# Allegro board meta_module_lay_rev1.brd (continued)
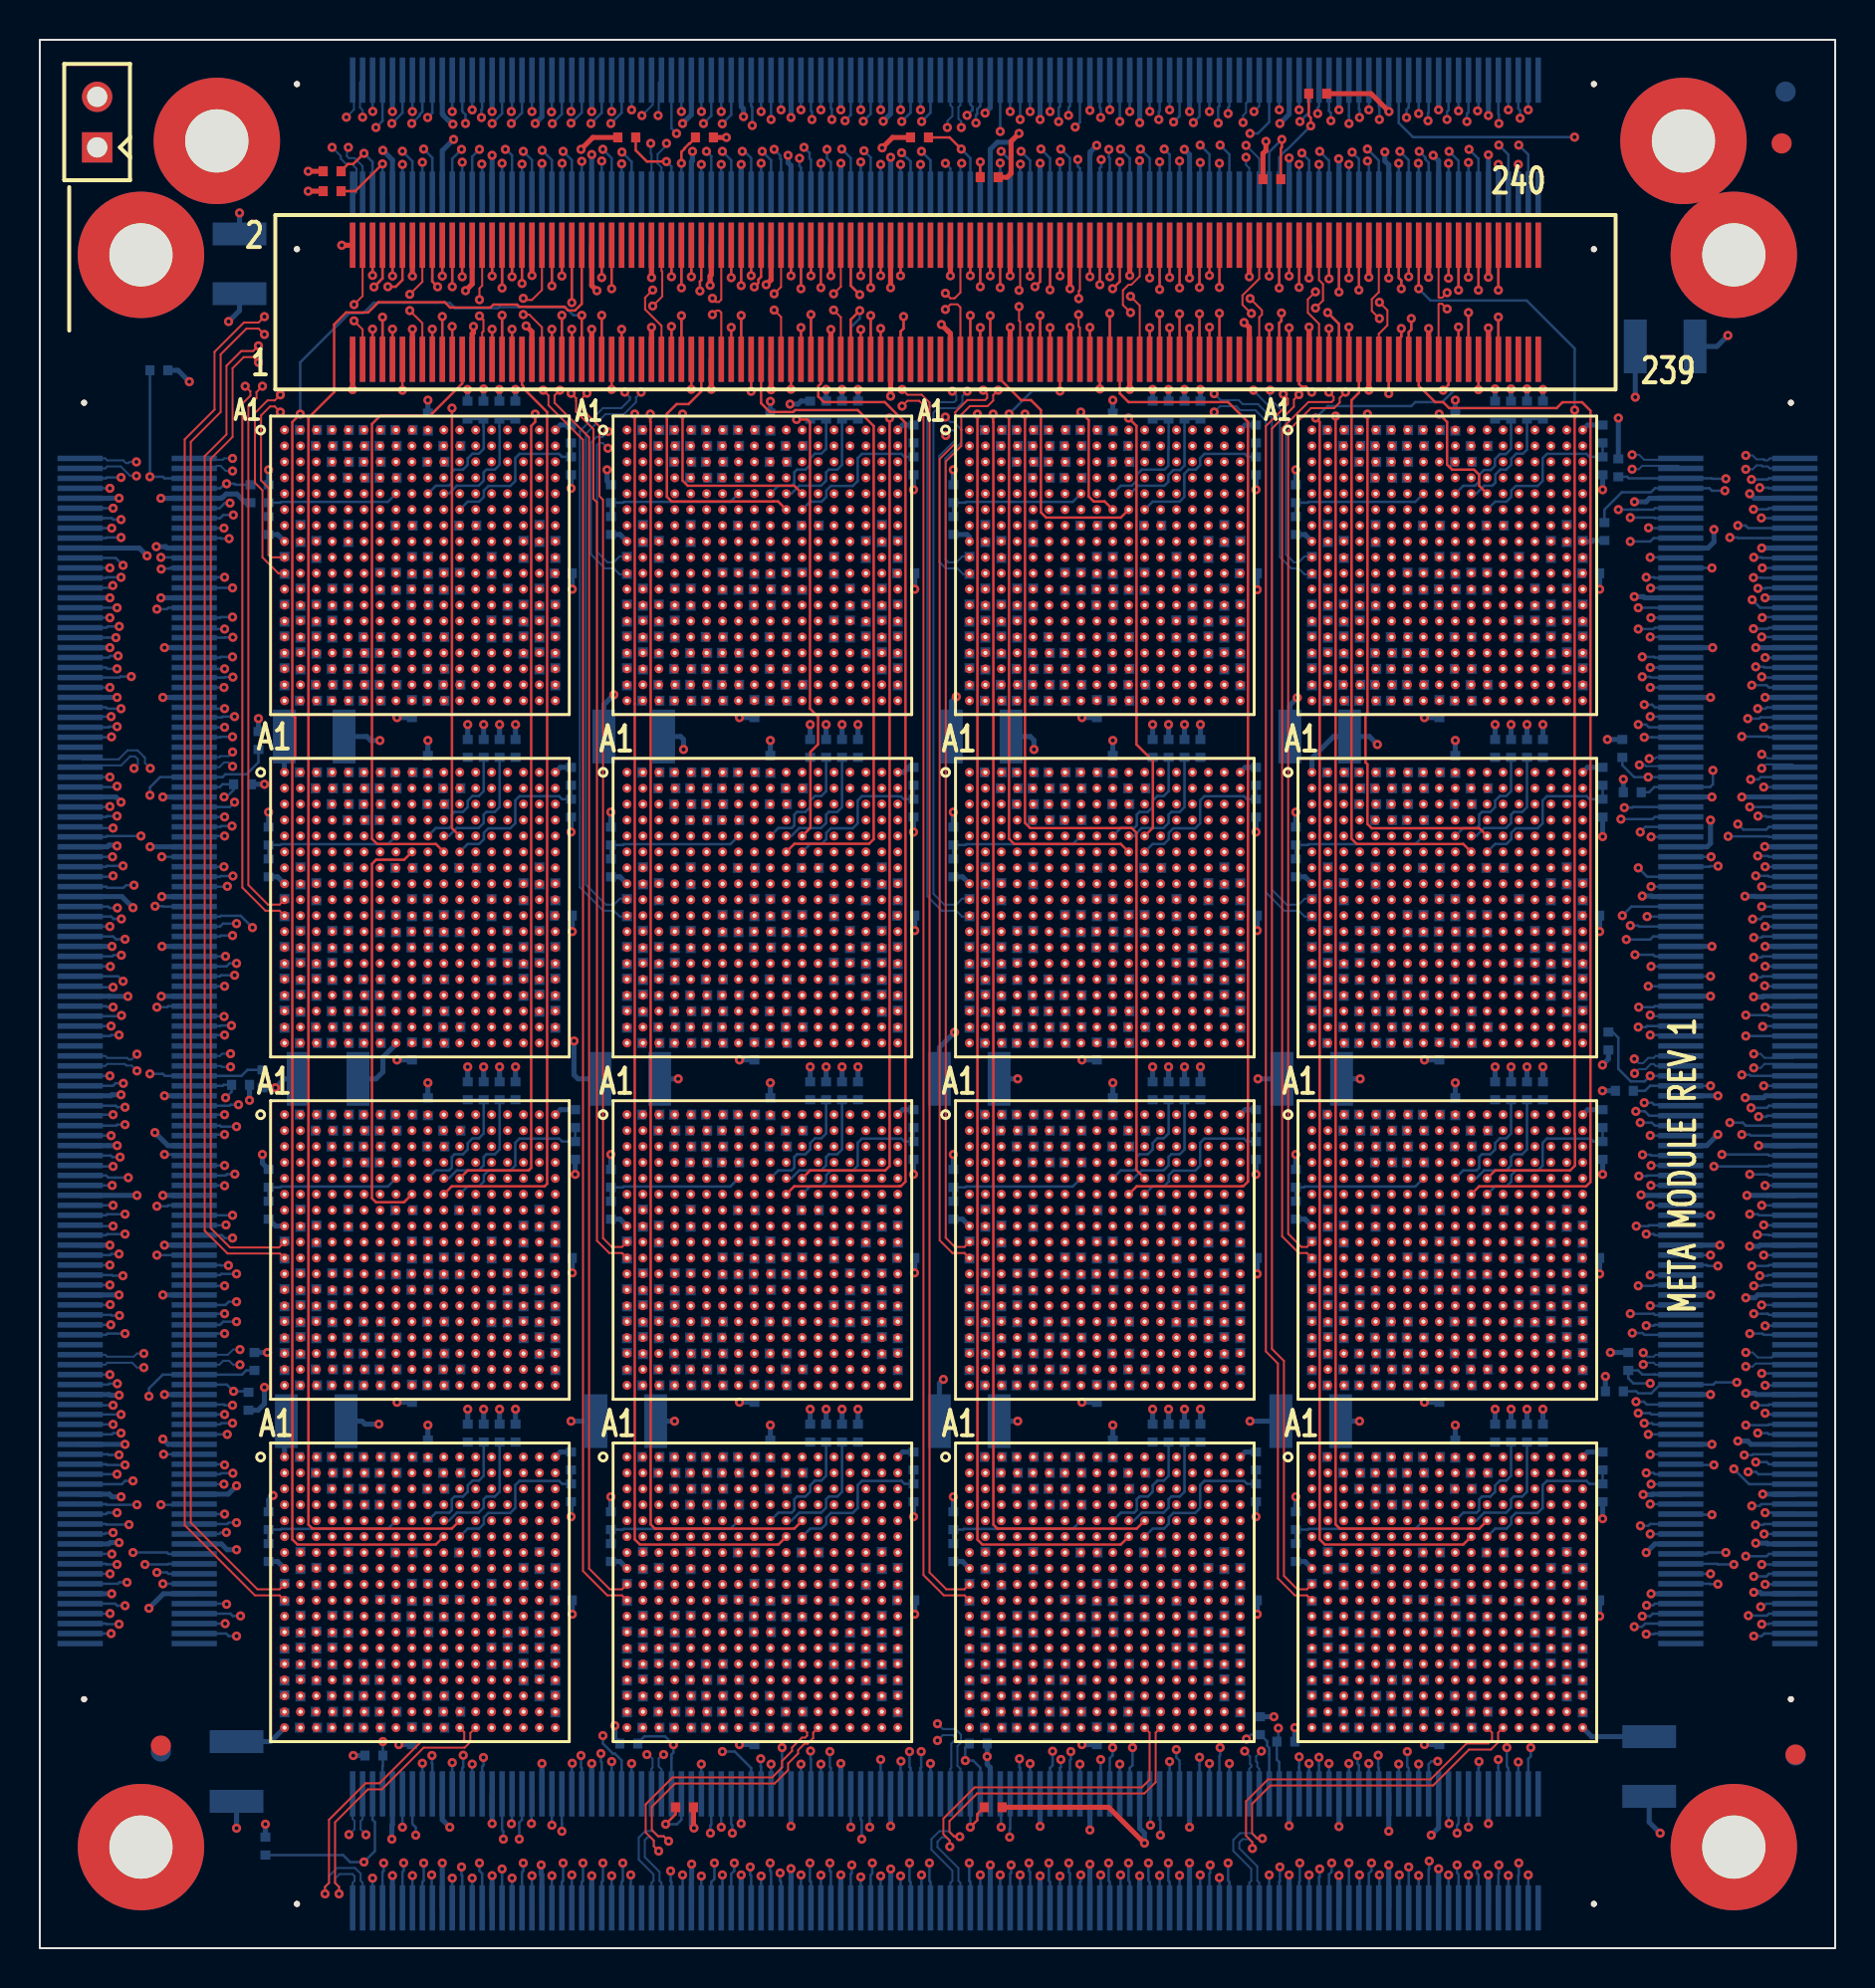
[diagram p0: board, top side]
## Routing (per net, layer and track width the routed paths; a pad name or vN(x,y) marks a point on that pad's centre or on a via; arc(x,y) is an arc through that point) (continued)
EW_WAIT_RD_P1_SNOW4-4: length 8.6
  SIGNAL_L9 w0.083: 60.68,20.29 64.28,20.29 U14.G2 ; 60.68,20.29 60.68,20.28 60.68,20.29 ; 60.68,20.29 59.36,20.29 59.09,20.02 59.09,17.88 U16.K17
EW_WAIT_RD_P2: length 8.6
  SIGNAL_L9 w0.083: 43.48,37.49 43.48,37.48 43.48,37.49 ; 43.48,37.49 42.16,37.49 41.89,37.22 41.89,35.08 U9.K17 ; 43.48,37.49 47.08,37.49 U15.G2
EW_WAIT_RD_P3: length 8.6
  SIGNAL_L9 w0.083: 43.48,20.29 43.48,20.28 43.48,20.29 ; 43.48,20.29 42.16,20.29 41.89,20.02 41.89,17.88 U10.K17 ; 43.48,20.29 47.08,20.29 U16.G2
EW_WAIT_WR_N0: length 13.8
  SIGNAL_L9 w0.083: U7.J3 48.69,70.28 48.69,70.82 48.43,71.08 48.08,71.08 47.88,71.28 47.88,72.48 47.68,72.68 41.35,72.68 41.09,72.42 41.09,69.48 U1.K16
EW_WAIT_WR_N0_SNOW4-1: length 13.8
  SIGNAL_L9 w0.083: U3.K16 23.89,69.48 23.89,72.42 24.15,72.68 30.48,72.68 30.68,72.48 30.68,71.28 30.88,71.08 31.23,71.08 31.49,70.82 31.49,70.28 U1.J3
EW_WAIT_WR_N0_SNOW4-2: length 13.8
  SIGNAL_L9 w0.083: U5.J3 65.89,70.28 65.89,70.82 65.63,71.08 65.28,71.08 65.08,71.28 65.08,72.48 64.88,72.68 58.55,72.68 58.29,72.42 58.29,69.48 U7.K16
EW_WAIT_WR_N0_SNOW4-3: length 13.8
  SIGNAL_L9 w0.083: U9.J3 31.49,35.88 31.49,36.42 31.23,36.68 30.88,36.68 30.68,36.88 30.68,38.08 30.48,38.28 24.15,38.28 23.89,38.02 23.89,35.08 U11.K16
EW_WAIT_WR_N0_SNOW4-4: length 13.8
  SIGNAL_L9 w0.083: U13.J3 65.89,35.88 65.89,36.42 65.63,36.68 65.28,36.68 65.08,36.88 65.08,38.08 64.88,38.28 58.55,38.28 58.29,38.02 58.29,35.08 U15.K16
EW_WAIT_WR_N1: length 13.8
  SIGNAL_L9 w0.083: U8.J3 48.69,53.08 48.69,53.62 48.43,53.88 48.08,53.88 47.88,54.08 47.88,55.28 47.68,55.48 41.35,55.48 41.09,55.22 41.09,52.28 U2.K16
EW_WAIT_WR_N1_SNOW4-1: length 13.8
  SIGNAL_L9 w0.083: U4.K16 23.89,52.28 23.89,55.22 24.15,55.48 30.48,55.48 30.68,55.28 30.68,54.08 30.88,53.88 31.23,53.88 31.49,53.62 31.49,53.08 U2.J3
EW_WAIT_WR_N1_SNOW4-2: length 13.8
  SIGNAL_L9 w0.083: U6.J3 65.89,53.08 65.89,53.62 65.63,53.88 65.28,53.88 65.08,54.08 65.08,55.28 64.88,55.48 58.55,55.48 58.29,55.22 58.29,52.28 U8.K16
EW_WAIT_WR_N1_SNOW4-3: length 13.8
  SIGNAL_L9 w0.083: U10.J3 31.49,18.68 31.49,19.22 31.23,19.48 30.88,19.48 30.68,19.68 30.68,20.88 30.48,21.08 24.15,21.08 23.89,20.82 23.89,17.88 U12.K16
EW_WAIT_WR_N1_SNOW4-4: length 13.8
  SIGNAL_L9 w0.083: U16.K16 58.29,17.88 58.29,20.82 58.55,21.08 64.88,21.08 65.08,20.88 65.08,19.68 65.28,19.48 65.63,19.48 65.89,19.22 65.89,18.68 U14.J3
EW_WAIT_WR_N2: length 13.8
  SIGNAL_L9 w0.083: U9.K16 41.09,35.08 41.09,38.02 41.35,38.28 47.68,38.28 47.88,38.08 47.88,36.88 48.08,36.68 48.43,36.68 48.69,36.42 48.69,35.88 U15.J3
EW_WAIT_WR_N3: length 13.8
  SIGNAL_L9 w0.083: U16.J3 48.69,18.68 48.69,19.22 48.43,19.48 48.08,19.48 47.88,19.68 47.88,20.88 47.68,21.08 41.35,21.08 41.09,20.82 41.09,17.88 U10.K16
EW_WAIT_WR_P0: length 8
  SIGNAL_L9 w0.083: U7.H3 47.89,70.28 44.69,70.28 43.89,69.48 42.95,69.48 42.69,69.22 42.69,68.94 42.43,68.68 41.89,68.68 U1.L16
EW_WAIT_WR_P0_SNOW4-1: length 8
  SIGNAL_L9 w0.083: U1.H3 30.69,70.28 27.49,70.28 26.69,69.48 25.75,69.48 25.49,69.22 25.49,68.94 25.23,68.68 24.69,68.68 U3.L16
EW_WAIT_WR_P0_SNOW4-2: length 8
  SIGNAL_L9 w0.083: U5.H3 65.09,70.28 61.89,70.28 61.09,69.48 60.15,69.48 59.89,69.22 59.89,68.94 59.63,68.68 59.09,68.68 U7.L16
EW_WAIT_WR_P0_SNOW4-3: length 8
  SIGNAL_L9 w0.083: U9.H3 30.69,35.88 27.49,35.88 26.69,35.08 25.75,35.08 25.49,34.82 25.49,34.54 25.23,34.28 24.69,34.28 U11.L16
EW_WAIT_WR_P0_SNOW4-4: length 8
  SIGNAL_L9 w0.083: U15.L16 59.09,34.28 59.63,34.28 59.89,34.54 59.89,34.82 60.15,35.08 61.09,35.08 61.89,35.88 65.09,35.88 U13.H3
EW_WAIT_WR_P1: length 8
  SIGNAL_L9 w0.083: U8.H3 47.89,53.08 44.69,53.08 43.89,52.28 42.95,52.28 42.69,52.02 42.69,51.74 42.43,51.48 41.89,51.48 U2.L16
EW_WAIT_WR_P1_SNOW4-1: length 8
  SIGNAL_L9 w0.083: U4.L16 24.69,51.48 25.23,51.48 25.49,51.74 25.49,52.02 25.75,52.28 26.69,52.28 27.49,53.08 30.69,53.08 U2.H3
EW_WAIT_WR_P1_SNOW4-2: length 8
  SIGNAL_L9 w0.083: U8.L16 59.09,51.48 59.63,51.48 59.89,51.74 59.89,52.02 60.15,52.28 61.09,52.28 61.89,53.08 65.09,53.08 U6.H3
EW_WAIT_WR_P1_SNOW4-3: length 8
  SIGNAL_L9 w0.083: U12.L16 24.69,17.08 25.23,17.08 25.49,17.34 25.49,17.62 25.75,17.88 26.69,17.88 27.49,18.68 30.69,18.68 U10.H3
EW_WAIT_WR_P1_SNOW4-4: length 8
  SIGNAL_L9 w0.083: U14.H3 65.09,18.68 61.89,18.68 61.09,17.88 60.15,17.88 59.89,17.62 59.89,17.34 59.63,17.08 59.09,17.08 U16.L16
EW_WAIT_WR_P2: length 8
  SIGNAL_L9 w0.083: U9.L16 41.89,34.28 42.43,34.28 42.69,34.54 42.69,34.82 42.95,35.08 43.89,35.08 44.69,35.88 47.89,35.88 U15.H3
EW_WAIT_WR_P3: length 8
  SIGNAL_L9 w0.083: U10.L16 41.89,17.08 42.43,17.08 42.69,17.34 42.69,17.62 42.95,17.88 43.89,17.88 44.69,18.68 47.89,18.68 U16.H3
FAN: length 37.8
  TOP w0.127: J16.55 v1(29.22,81.34)
  SIGNAL_L9 w0.508: J15.2 4.54,94.68 17.81,94.68 20.08,92.41 20.08,89.68 23.68,86.08 27.48,86.08 29.63,83.93 29.63,81.75 v1(29.22,81.34)
FLAG0: length 15.4
  TOP w0.127: J16.12 18.21,83.82 17.87,83.48 v1(17.48,83.48)
  SIGNAL_L9 w0.083: U3.E12 20.66,73.51 20.14,73.51 19.92,73.73 19.92,74.04 19.65,74.31 19.34,74.31 19.06,74.6 19.06,74.83 18.84,75.05 18.61,75.05 18.32,75.33 18.32,77.22 18.68,77.58 18.68,80.48 18.21,80.95 18.21,82.75 v1(17.48,83.48)
FLAG1: length 18.5
  TOP w0.127: J16.72 33.22,83.82 33.15,83.75 v1(33.15,83.26) ; v1(32.28,77.08) 32.28,73.74 32.54,73.48 37.89,73.48 U1.E12
  SIGNAL_L9 w0.083: v1(33.15,83.26) 33.15,77.95 v1(32.28,77.08)
FLAG2: length 30.5
  TOP w0.127: U4.E12 20.7,56.27 v1(20.7,77.38) ; J16.24 v1(21.22,83.98)
  SIGNAL_L9 w0.083: v1(21.22,83.98) 21.75,83.44 21.75,83.05 21.28,82.58 21.28,79.28 20.7,78.7 v1(20.7,77.38)
FLAG3: length 32.5
  TOP w0.127: U2.E12 38.7,56.29 38.7,60.1 39.08,60.48 39.08,61.88 38.68,62.28 38.68,76.68 38.55,76.81 v1(38.01,76.81) ; v1(35.88,83.47) 36.09,83.67 36.09,83.84 36.23,83.98 J16.84
  SIGNAL_L9 w0.083: v1(38.01,76.81) 36.95,76.81 36.08,77.68 36.08,78.05 36.15,78.12 36.15,83.21 v1(35.88,83.47)
FLAG4: length 17.2
  TOP w0.127: J16.132 v1(48.24,83.44)
  SIGNAL_L12 w0.083: v1(48.24,83.44) 48.24,80.32 51.92,76.64 51.92,73.73 52.14,73.51 55.06,73.51 U7.E12
FLAG5: length 26
  TOP w0.127: U5.E12 72.29,73.48 72.29,74.03 72.03,74.29 70.93,74.29 70.68,74.54 70.68,76.68 v1(70.28,77.08) ; J16.192 v1(63.25,83.45)
  SIGNAL_L3 w0.083: v1(70.28,77.08) 70.02,77.34 70.02,79.42 72.62,82.02 72.62,83.54 72.28,83.88 72.28,84.08 71.98,84.38 63.58,84.38 63.25,84.05 v1(63.25,83.45)
FLAG6: length 32
  TOP w0.127: J16.144 v1(51.24,84.02) ; U8.E12 55.9,56.29 55.9,59.66 55.08,60.48 55.08,76.48 v1(54.68,76.88)
  SIGNAL_L9 w0.083: v1(54.68,76.88) 54.37,77.19 54.37,80.59 52.98,81.98 52.98,82.66 51.62,84.02 v1(51.24,84.02)
FLAG7: length 35.6
  TOP w0.127: U6.E12 72.3,56.27 66.89,56.27 66.68,56.48 66.68,59.48 66.58,59.58 66.58,61.98 66.68,62.08 v1(66.68,77.08) ; J16.204 v1(66.25,83.31)
  SIGNAL_L10 w0.083: v1(66.25,83.31) 66.25,77.51 v1(66.68,77.08)
FLAG8: length 51.2
  TOP w0.127: U11.E12 21.49,39.08 24.55,39.08 24.68,39.21 24.68,76.49 24.88,76.69 v1(24.88,77.08) ; J16.36 v1(24.22,83.64)
  SIGNAL_L9 w0.083: v1(24.88,77.08) 24.88,77.98 23.35,79.51 23.35,81.5 23.78,81.93 23.78,83.21 v1(24.22,83.64)
FLAG9: length 52.3
  TOP w0.127: U9.E12 38.69,39.08 42.46,39.08 42.68,39.3 v1(42.68,76.88) ; J16.96 v1(39.23,83.43)
  SIGNAL_L9 w0.083: v1(39.23,83.43) 39.23,81.13 41.78,78.58 41.78,77.78 v1(42.68,76.88)
FLAG10: length 85
  TOP w0.127: U12.E12 20.69,21.08 13.69,21.08 13.49,21.28 13.49,76.89 14.78,78.18 14.78,81.58 15.39,82.19 16.49,82.19 17,82.7 20.34,82.7 20.6,82.43 22.63,82.43 22.78,82.58 23.97,82.58 24.08,82.47 26.34,82.47 26.53,82.29 26.88,82.29 27.22,82.62 J16.48
FLAG11: length 82.5
  TOP w0.127: U10.E12 37.89,21.08 30.89,21.08 30.68,21.29 30.68,76.67 30.66,76.69 v1(30.66,77.08) ; 42.23,85.56 v1(42.23,84.03)
  SIGNAL_L9 w0.083: v1(42.23,84.03) 41.78,84.48 33.81,84.48 32.59,83.27 32.59,79.49 30.66,77.56 v1(30.66,77.08)
FLAG12: length 57.8
  TOP w0.127: v1(53.88,83.38) 54.24,83.74 J16.156 ; v1(49.48,77.08) 49.48,56.54 49.74,56.28 54.84,56.28 55.08,56.04 55.08,39.09 U15.E12
  SIGNAL_L9 w0.083: v1(49.48,77.08) 49.48,77.98 49.36,78.1 49.36,81.96 50.35,82.95 50.35,83.77 50.98,84.39 51.57,84.39 52.84,83.12 53.62,83.12 v1(53.88,83.38)
FLAG13: length 57
  TOP w0.127: v1(77.09,77.28) 77.09,76.89 77.09,40.93 77.1,40.92 77.1,39.32 76.86,39.08 73.09,39.08 U13.E12 ; 69.25,85.56 v1(69.25,83.38)
  BOTTOM w0.127: v1(69.25,83.38) 69.84,82.79 74.67,82.79 77.09,80.37 v1(77.09,77.28)
FLAG14: length 77.8
  TOP w0.127: v1(47.88,77.08) 47.88,76.69 47.89,76.68 47.89,21.28 48.09,21.08 55.09,21.08 U16.E12 ; J16.168 v1(57.24,83.42)
  SIGNAL_L3 w0.083: v1(47.88,77.08) 51.18,80.38 53.83,80.38 56.87,83.42 v1(57.24,83.42)
FLAG15: length 75.8
  TOP w0.127: U14.E12 72.29,21.08 65.29,21.08 65.08,21.29 v1(65.08,76.98) ; J16.228 v1(72.25,83.31)
  SIGNAL_L3 w0.083: v1(65.08,76.98) 66.18,78.08 66.18,78.48 67.78,80.08 69.03,80.08 v1(72.25,83.31)
MVDD0: length 16
  TOP w0.127: v1(28.72,78.32) J16.53
  SIGNAL_L6 w0.083: v1(28.72,78.32) 27.98,77.58 26.65,77.58 25.51,76.44 25.51,76.02 25.37,75.88 24.95,75.88 24.71,75.64 24.71,75.36 24.45,75.1 24.1,75.1 23.87,74.87 23.87,74.52 23.65,74.3 23.3,74.3 23.07,74.07 23.07,73.72 22.81,73.46 18.53,73.46 18.28,73.21 18.28,72.67 U3.F8
MVSS0: length 24.4
  TOP w0.127: v1(28.72,83.38) J16.54
  SIGNAL_L6 w0.083: U3.F7 17.49,71.88 18.83,71.88 19.07,72.12 19.07,72.47 19.28,72.68 22.83,72.68 23.11,72.96 23.11,73.24 23.37,73.5 23.65,73.5 23.91,73.76 23.91,74.04 24.17,74.3 24.45,74.3 24.71,74.56 24.71,74.84 24.97,75.1 25.3,75.1 25.51,75.31 25.51,75.64 25.75,75.88 26.28,75.88 27.48,77.08 29.18,77.08 29.75,77.65 29.75,82.35 v1(28.72,83.38)
NO_DATA_IN_N0: length 19.9
  SIGNAL_L10 w0.083: v1(21.18,90.38) 13.78,82.98 13.78,76.97 U3.A2
  BOTTOM w0.127: J1.219 20.71,89.91 v1(21.18,90.38)
NO_DATA_IN_N1: length 20.7
  SIGNAL_L10 w0.083: v1(22.08,90.38) 21.68,89.98 21.68,89.48 18.1,85.9 18.1,83.7 17.9,83.5 17.9,82.11 17.18,81.39 17.18,81.16 14.28,78.26 14.28,75.87 U3.B3
  BOTTOM w0.127: 21.72,88.13 21.72,90.02 v1(22.08,90.38)
NO_DATA_IN_N2: length 20.3
  SIGNAL_L10 w0.083: v1(23.22,89.68) 19.3,85.76 19.3,83.4 19.08,83.18 19.08,81.51 19.08,81.5 19.08,81.19 19.08,81.19 19.08,80.48 16.69,78.09 16.69,77.2 15.92,76.43 15.92,76.12 15.68,75.88 15.37,75.88 15.08,75.59 15.08,75.07 U3.C4
  BOTTOM w0.127: v1(23.22,89.68) J1.209
NO_DATA_IN_N3: length 21.6
  SIGNAL_L10 w0.083: v1(24.22,89.64) 24.22,86.62 21.88,84.28 21.88,83.16 21.28,82.56 21.28,81.28 20.48,80.48 19.89,80.48 17.48,78.07 17.48,75.97 17.39,75.88 16.97,75.88 16.72,75.63 16.72,75.39 16.44,75.11 16.2,75.11 15.88,74.79 15.88,74.27 U3.D5
  BOTTOM w0.127: v1(24.22,89.64) J1.205
NO_DATA_IN_N4: length 22.7
  SIGNAL_L5 w0.083: v1(25.23,90.33) 24.68,89.78 24.68,89.38 24.38,89.08 21.08,89.08 14.69,82.69 U3.A4
  BOTTOM w0.127: v1(25.23,90.33) 25.72,89.84 J1.199
NO_DATA_IN_N5: length 22.8
  SIGNAL_L5 w0.083: U3.B5 15.86,75.85 15.86,76.56 19.28,79.98 19.28,83.68 23.78,88.18 25.25,88.18 26.68,89.61 26.68,89.88 v1(26.28,90.28)
  BOTTOM w0.127: J1.195 26.72,89.84 v1(26.28,90.28)
NO_DATA_IN_N6: length 22.1
  SIGNAL_L5 w0.083: U3.C6 16.69,75.08 17.21,75.08 17.48,75.35 17.48,76.58 21.91,81.01 22.03,81.01 22.25,81.23 22.25,81.35 22.34,81.44 22.34,81.64 22.78,82.08 22.78,83.55 23.18,83.95 23.18,84.76 v1(28.22,89.8)
  BOTTOM w0.127: J1.189 v1(28.22,89.8)
NO_DATA_IN_N7: length 23.3
  SIGNAL_L10 w0.083: U3.D7 17.46,74.25 17.46,74.86 17.71,75.11 18.04,75.11 18.32,75.39 18.32,75.63 18.6,75.91 18.84,75.91 19.06,76.13 19.06,76.46 22.58,79.98 23.68,79.98 25.68,81.98 25.68,82.68 29.22,86.22 v1(29.22,89.66)
  BOTTOM w0.127: v1(29.22,89.66) J1.185
NO_DATA_IN_N8: length 19.4
  SIGNAL_L10 w0.083: v1(35.28,90.28) 34.78,89.78 34.78,89.38 29.68,84.28 29.68,80.08 29.83,79.93 29.83,77.83 29.51,77.51 29.51,76.85 29.82,76.54 30.03,76.54 U1.A2
  BOTTOM w0.127: v1(35.28,90.28) 35.39,90.28 35.73,89.95 J1.159
NO_DATA_IN_N9: length 21.3
  SIGNAL_L10 w0.083: U1.B3 31.48,75.87 31.48,78.18 30.98,78.68 30.98,80.28 30.28,80.98 30.28,84.28 34.28,88.28 35.42,88.28 36.68,89.54 36.68,89.88 v1(36.28,90.28)
  BOTTOM w0.127: J1.155 36.73,89.83 v1(36.28,90.28)
NO_DATA_IN_N10: length 19.9
  SIGNAL_L10 w0.083: U1.C4 32.28,75.07 32.28,75.59 32.57,75.88 32.88,75.88 33.12,76.12 33.12,80.62 34.17,81.67 34.17,85.95 v1(38.16,89.93)
  BOTTOM w0.127: J1.149 38.23,89.47 38.16,89.54 v1(38.16,89.93)
NO_DATA_IN_N11: length 20.7
  SIGNAL_L10 w0.083: v1(39.23,89.68) 39.22,89.67 39.18,89.67 38.81,89.3 38.81,89.27 36.98,87.43 36.98,83.99 37.28,83.69 37.28,81.78 34.68,79.18 34.68,76.08 34.48,75.88 34.17,75.88 33.92,75.63 33.92,75.39 33.64,75.11 33.4,75.11 33.08,74.79 33.08,74.27 U1.D5
  BOTTOM w0.127: v1(39.23,89.68) J1.145
NO_DATA_IN_N12: length 21.3
  SIGNAL_L5 w0.083: v1(40.28,90.39) 39.86,89.98 39.86,89.66 39.48,89.28 37.32,89.28 33.28,85.24 33.28,83.92 32.78,83.42 32.78,81.88 31.89,80.99 U1.A4
  BOTTOM w0.127: v1(40.28,90.39) 40.73,89.94 J1.139
NO_DATA_IN_N13: length 21.5
  SIGNAL_L5 w0.083: U1.B5 33.06,75.85 33.06,76.39 34.18,77.51 34.18,79.08 37.38,82.28 37.38,83.28 36.88,83.77 36.88,84.74 37.3,85.16 41.75,89.61 41.75,89.95 v1(41.39,90.31)
  BOTTOM w0.127: v1(41.39,90.31) 41.73,89.97 J1.135
NO_DATA_IN_N14: length 20.6
  SIGNAL_L5 w0.083: v1(43.23,89.62) 38.36,84.75 38.36,84.06 37.78,83.48 37.78,81.82 34.98,79.02 34.98,76.98 34.66,76.66 34.66,76.08 34.46,75.88 34.17,75.88 33.92,75.63 33.92,75.11 U1.C6
  BOTTOM w0.127: v1(43.23,89.62) 43.23,88.13
NO_DATA_IN_N15: length 22.7
  SIGNAL_L10 w0.083: v1(44.23,89.62) 44.23,83.91 41.78,81.45 41.78,81.15 37.63,77 37.63,76.66 37.88,76.41 37.88,76.15 37.64,75.91 37.41,75.91 37.08,75.59 37.08,75.35 36.81,75.08 35.68,75.08 35.52,74.92 35.52,74.6 35.18,74.25 34.66,74.25 U1.D7
  BOTTOM w0.127: v1(44.23,89.62) J1.125
NO_DATA_IN_N16: length 18.2
  SIGNAL_L10 w0.083: v1(50.28,90.39) 50.09,90.21 50.08,90.21 49.87,89.99 49.87,89.57 49.18,88.88 49.18,84.25 49.17,84.24 49.17,83.81 48.28,82.92 48.28,79.98 46.97,78.67 46.97,77.99 47.49,77.47 U7.A2
  BOTTOM w0.127: J1.99 50.74,89.94 v1(50.28,90.39)
NO_DATA_IN_N17: length 19.2
  SIGNAL_L10 w0.083: v1(51.28,90.39) 51.61,90.06 51.61,89.6 51.39,89.38 51.38,89.38 50.5,88.5 50.5,88.49 50.35,88.34 50.35,82.61 50.68,82.28 50.68,81.89 50.28,81.49 50.28,78.98 49.11,77.81 49.11,76.98 48.72,76.6 48.72,75.91 U7.B3
  BOTTOM w0.127: J1.95 51.74,89.94 v1(51.28,90.39)
NO_DATA_IN_N18: length 19.1
  SIGNAL_L10 w0.083: U7.C4 49.48,75.07 49.48,75.59 49.77,75.88 50.08,75.88 50.28,76.08 50.28,76.75 51.61,78.08 51.61,80.65 51.37,80.89 51.37,83.53 51.61,83.78 51.61,88.17 v1(53.31,89.87)
  BOTTOM w0.127: J1.89 53.24,89.44 53.31,89.51 v1(53.31,89.87)
NO_DATA_IN_N19: length 20.5
  SIGNAL_L10 w0.083: U7.D5 50.28,74.27 50.28,74.79 50.6,75.11 50.84,75.11 51.12,75.39 51.12,75.63 51.37,75.88 51.68,75.88 51.88,76.08 51.88,77.38 52.68,78.18 52.68,78.98 53.28,79.58 53.28,82.91 52.28,83.91 52.28,87.8 v1(54.24,89.76)
  BOTTOM w0.127: v1(54.24,89.76) J1.85
NO_DATA_IN_N20: length 19.4
  SIGNAL_L5 w0.083: v1(55.28,90.39) 54.68,89.8 54.68,89.54 49.28,84.14 49.28,83.78 49.58,83.48 49.58,81.9 49.11,81.42 49.11,81.28 49.09,81.27 U7.A4
  BOTTOM w0.127: J1.79 55.74,89.93 v1(55.28,90.39)
NO_DATA_IN_N21: length 20.7
  SIGNAL_L5 w0.083: v1(56.47,90.39) 56.73,90.13 56.73,89.63 56.18,89.08 55.77,89.08 50.87,84.18 50.87,83.72 51.11,83.48 51.11,80.31 50.32,79.52 50.32,75.91 U7.B5
  BOTTOM w0.127: J1.75 56.7,88.18 56.7,88.56 56.74,88.61 56.74,90.12 v1(56.47,90.39)
NO_DATA_IN_N22: length 20.2
  SIGNAL_L5 w0.083: U7.C6 51.09,75.08 51.09,75.6 51.41,75.91 51.64,75.91 51.88,76.15 51.88,77.68 52.28,78.08 52.28,81.5 53.46,82.68 53.71,82.68 54.25,83.23 54.25,83.74 54.11,83.89 54.11,85.55 v1(58.28,89.72)
  BOTTOM w0.127: J1.69 58.28,88.17 v1(58.28,89.72)
NO_DATA_IN_N23: length 22.3
  SIGNAL_L10 w0.083: U7.D7 51.86,74.25 51.86,74.86 52.11,75.11 54.11,75.11 54.28,75.28 54.28,75.68 54.51,75.91 54.84,75.91 55.08,76.15 55.08,76.78 56.28,77.98 56.28,78.45 59.68,81.85 59.68,84.48 59.24,84.92 v1(59.24,89.68)
  BOTTOM w0.127: v1(59.24,89.68) J1.65
NO_DATA_IN_N24: length 16.3
  SIGNAL_L5 w0.083: v1(65.75,89.62) 64.38,88.25 64.38,83.58 64.68,83.28 64.68,82.98 65.05,82.61 65.05,82.03 64.78,81.75 64.59,81.75 64.28,81.44 64.28,77.58 64.48,77.38 64.48,76.88 64.69,76.67 U5.A2
  BOTTOM w0.127: J1.39 v1(65.75,89.62)
NO_DATA_IN_N25: length 17.1
  SIGNAL_L9 w0.083: v1(66.68,89.8) 66.68,85.18 66.38,84.88 66.38,83.8 66.7,83.48 66.7,82.9 66.13,82.33 66.13,77.46 65.11,76.44 65.11,75.86 U5.B3
  BOTTOM w0.127: J1.35 66.75,89.72 v1(66.68,89.8)
NO_DATA_IN_N26: length 18
  SIGNAL_L5 w0.083: U5.C4 65.88,75.09 65.88,77.96 65.95,78.03 65.95,78.33 65.88,78.4 65.88,80.28 66.62,81.02 66.62,83.22 66.62,83.22 66.62,83.34 66.62,83.34 66.62,83.46 66.38,83.71 66.38,87.81 v1(68.25,89.68)
  BOTTOM w0.127: v1(68.25,89.68) J1.29
NO_DATA_IN_N27: length 18.8
  SIGNAL_L9 w0.083: v1(69.24,89.68) 69.24,83.92 69.62,83.53 69.62,81.78 69.38,81.53 69.38,78.38 68.28,77.28 68.28,75.28 68.08,75.08 67.75,75.08 67.48,74.81 67.48,74.27 U5.D5
  BOTTOM w0.127: 69.25,88.13 69.25,89.61 69.24,89.62 v1(69.24,89.68)
NO_DATA_IN_N28: length 21.4
  SIGNAL_L9 w0.083: v1(70.75,89.68) 70.35,90.08 70.35,90.23 69.93,90.65 69.13,90.65 68.86,90.39 68.86,88.96 68.86,88.96 68.86,88.36 68.28,87.78 68.28,83.81 68.01,83.53 68.01,83.23 68.23,83.01 68.25,83.01 69.01,82.25 69.03,82.25 69.25,82.03 69.25,81.73 69.18,81.65 69.18,78.78 67.52,77.12 67.52,76.12 67.28,75.88 66.69,75.88 U5.A4
  BOTTOM w0.127: v1(70.75,89.68) J1.19
NO_DATA_IN_N29: length 18.1
  SIGNAL_L5 w0.083: v1(71.75,89.72) 69.28,87.25 69.28,83.93 68.88,83.53 68.88,82.98 69.18,82.68 69.18,82.11 69.25,82.03 69.25,81.73 69.18,81.65 69.18,81.18 68.88,80.88 68.88,78.28 67.52,76.92 67.52,75.91 U5.B5
  BOTTOM w0.127: J1.15 v1(71.75,89.72)
NO_DATA_IN_N30: length 19.3
  SIGNAL_L5 w0.083: v1(73.25,89.62) 73.63,89.25 73.63,83.15 69.98,79.51 69.98,77.68 69.08,76.78 69.08,75.35 68.81,75.08 68.29,75.08 U5.C6
  BOTTOM w0.127: v1(73.25,89.62) J1.9
NO_DATA_IN_N31: length 19.7
  SIGNAL_L10 w0.083: U5.D7 69.12,74.31 69.12,74.83 69.4,75.11 69.64,75.11 69.86,75.33 69.86,75.34 69.88,75.36 69.88,78.68 70.18,78.98 70.18,85.55 v1(74.26,89.62)
  BOTTOM w0.127: v1(74.26,89.62) J1.5
NO_DATA_IN_P0: length 18.1
  SIGNAL_L10 w0.083: v1(21.22,89.73) 14.1,82.61 14.1,76.85 13.89,76.65 U3.A3
  BOTTOM w0.127: v1(21.22,89.73) J1.217
NO_DATA_IN_P1: length 18.8
  SIGNAL_L10 w0.083: U3.B4 15.08,75.87 15.08,76.81 16.33,78.06 16.33,79.03 18.08,80.78 18.08,81.19 18.08,81.19 18.08,81.5 18.08,81.51 18.08,83.42 18.16,83.5 18.28,83.62 18.28,85.73 v1(22.2,89.64)
  BOTTOM w0.127: v1(22.2,89.64) 22.23,89.64 22.22,89.62 J1.213
NO_DATA_IN_P2: length 21.8
  SIGNAL_L10 w0.083: U3.C5 15.88,75.07 15.88,75.59 16.2,75.91 16.44,75.91 16.72,76.19 16.72,76.52 16.98,76.78 16.98,77.83 19.34,80.19 19.34,83.04 19.48,83.18 19.48,85.28 23.68,89.48 23.68,90.08 v1(23.38,90.38)
  BOTTOM w0.127: J1.207 23.72,90.08 23.42,90.38 v1(23.38,90.38)
NO_DATA_IN_P3: length 24.4
  SIGNAL_L10 w0.083: v1(24.28,90.28) 24.85,89.71 24.85,85.71 25.09,85.47 25.09,81.65 23.72,80.28 21.38,80.28 18.28,77.18 18.28,76.08 18.08,75.88 17.77,75.88 17.52,75.63 17.52,75.39 17.24,75.11 17,75.11 16.68,74.79 16.68,74.27 U3.D6
  BOTTOM w0.127: v1(24.28,90.28) 24.72,89.84 J1.203
NO_DATA_IN_P4: length 20.8
  SIGNAL_L5 w0.083: v1(26.23,89.68) 25.35,88.8 22.97,88.8 18.18,84.01 18.18,79.68 15.49,76.99 U3.A5
  BOTTOM w0.127: v1(26.23,89.68) 26.23,88.14 J1.197
NO_DATA_IN_P5: length 20.6
  SIGNAL_L5 w0.083: U3.B6 16.68,75.87 16.68,76.48 17.38,77.18 17.64,77.18 21.18,80.72 21.18,82.48 22.08,83.38 22.08,84.64 v1(27.22,89.78)
  BOTTOM w0.127: J1.193 v1(27.22,89.78)
NO_DATA_IN_P6: length 24.2
  SIGNAL_L5 w0.083: v1(28.28,90.38) 28.59,90.07 28.59,87.19 24.67,83.27 24.13,83.27 23.91,83.05 23.91,82.11 23.28,81.48 23.28,81.18 21.28,79.18 20.37,79.18 18.26,77.07 18.26,75.33 18.01,75.08 17.49,75.08 U3.C7
  BOTTOM w0.127: v1(28.28,90.38) 28.72,89.94 J1.187
NO_DATA_IN_P7: length 26.2
  SIGNAL_L10 w0.083: v1(29.24,90.24) 29.59,89.89 29.59,85.99 29.18,85.58 29.18,82.14 27.52,80.48 26.68,80.48 23.68,77.48 21.48,77.48 20.66,76.66 20.66,76.13 20.44,75.91 20.31,75.91 20.31,75.91 19.4,75.91 19.12,75.63 19.12,75.39 18.84,75.11 18.6,75.11 18.28,74.79 18.28,74.27 U3.D8
  BOTTOM w0.127: v1(29.24,90.24) 29.72,89.76 J1.183
NO_DATA_IN_P8: length 18.8
  SIGNAL_L10 w0.083: v1(36.23,89.68) 35.33,88.78 34.48,88.78 29.98,84.28 29.98,80.58 30.57,79.99 30.57,77.67 30.28,77.38 30.28,76.94 30.64,76.58 30.79,76.58 U1.A3
  BOTTOM w0.127: v1(36.23,89.68) J1.157
NO_DATA_IN_P9: length 20.4
  SIGNAL_L10 w0.083: v1(36.88,90.38) 36.88,89.48 35.18,87.78 34.78,87.78 31.28,84.28 31.28,79.05 31.88,78.45 31.88,76.81 32.26,76.43 32.26,75.85 U1.B4
  BOTTOM w0.127: v1(36.88,90.38) 37.19,90.07 37.19,89.92 37.23,89.88 J1.153
NO_DATA_IN_P10: length 21
  SIGNAL_L10 w0.083: U1.C5 33.08,75.07 33.08,75.59 33.4,75.91 33.64,75.91 33.92,76.19 33.92,77.42 34.35,77.85 34.35,85.35 38.65,89.65 38.65,90.21 v1(38.38,90.48)
  BOTTOM w0.127: J1.147 38.73,89.86 38.66,89.93 38.66,90.2 v1(38.38,90.48)
NO_DATA_IN_P11: length 22.1
  SIGNAL_L10 w0.083: U1.D6 33.88,74.27 33.88,74.79 34.2,75.11 34.44,75.11 34.72,75.39 34.72,75.63 34.97,75.88 35.27,75.88 35.35,75.96 35.35,76.03 35.46,76.13 35.46,77.7 35.28,77.88 35.28,79.48 37.46,81.66 37.46,83.77 37.18,84.05 37.18,86.78 39.6,89.2 39.6,89.94 39.54,90.01 v1(39.54,90.38)
  BOTTOM w0.127: J1.143 39.73,89.74 39.54,89.93 v1(39.54,90.38)
NO_DATA_IN_P12: length 19.7
  SIGNAL_L5 w0.083: v1(41.23,89.75) 40.16,88.68 38.28,88.68 34.28,84.68 34.28,81.78 33.28,80.78 33.28,77.38 32.69,76.79 U1.A5
  BOTTOM w0.127: v1(41.23,89.75) J1.137
NO_DATA_IN_P13: length 19.5
  SIGNAL_L5 w0.083: U1.B6 33.88,75.87 33.88,76.48 34.58,77.18 34.58,79.18 37.58,82.18 37.58,83.48 37.28,83.78 37.28,84.67 v1(42.23,89.62)
  BOTTOM w0.127: v1(42.23,89.62) 42.23,88.13
NO_DATA_IN_P14: length 22.2
  SIGNAL_L5 w0.083: U1.C7 34.69,75.08 34.69,75.6 34.97,75.88 35.28,75.88 35.48,76.08 35.48,76.88 36.18,77.58 36.18,78.58 39.1,81.5 39.1,82.76 38.86,83 38.86,83.63 39.1,83.87 39.1,84.6 43.6,89.1 43.6,89.89 v1(43.28,90.21)
  BOTTOM w0.127: J1.127 43.73,89.78 43.58,89.93 43.56,89.93 v1(43.28,90.21)
NO_DATA_IN_P15: length 24.7
  SIGNAL_L10 w0.083: v1(44.28,90.28) 44.68,89.88 44.68,82.48 42.58,80.38 41.78,80.38 39.86,78.46 39.86,78.16 38.68,76.98 38.68,75.35 38.44,75.11 37.41,75.11 37.12,74.83 37.12,74.6 36.8,74.27 35.48,74.27 U1.D8
  BOTTOM w0.127: J1.123 44.73,89.83 v1(44.28,90.28)
NO_DATA_IN_P16: length 16.5
  SIGNAL_L10 w0.083: v1(51.24,89.75) 49.36,87.88 49.36,84.17 49.35,84.16 49.35,83.85 49.36,83.84 49.36,83.68 49.55,83.49 49.55,82.05 49.18,81.68 49.18,78.68 48.29,77.79 U7.A3
  BOTTOM w0.127: v1(51.24,89.75) J1.97
NO_DATA_IN_P17: length 17.8
  SIGNAL_L10 w0.083: U7.B4 49.48,75.87 49.48,76.55 49.85,76.93 49.85,77.65 51.11,78.91 51.11,83.48 50.68,83.91 50.68,88.42 51.46,89.2 51.47,89.2 51.79,89.52 51.79,89.53 v1(52.13,89.87)
  BOTTOM w0.127: J1.93 52.24,89.42 52.13,89.53 v1(52.13,89.87)
NO_DATA_IN_P18: length 20.2
  SIGNAL_L10 w0.083: v1(53.69,90.38) 53.69,89.73 52.1,88.13 52.1,83.78 52.76,83.11 52.76,82.11 52.28,81.63 52.28,78.38 51.12,77.22 51.12,76.19 50.84,75.91 50.6,75.91 50.28,75.59 50.28,75.07 U7.C5
  BOTTOM w0.127: v1(53.69,90.38) 53.69,89.98 53.74,89.93 J1.87
NO_DATA_IN_P19: length 21.1
  SIGNAL_L10 w0.083: v1(54.28,90.39) 54.61,90.06 54.61,89.01 54.28,88.68 54.28,81.78 53.88,81.38 53.88,78.38 52.72,77.22 52.72,76.12 52.48,75.88 52.17,75.88 51.92,75.63 51.92,75.39 51.64,75.11 51.4,75.11 51.08,74.79 51.08,74.27 U7.D6
  BOTTOM w0.127: v1(54.28,90.39) 54.74,89.93 J1.83
NO_DATA_IN_P20: length 18.2
  SIGNAL_L5 w0.083: v1(56.24,89.76) 55.76,89.76 50.37,84.37 50.37,82.99 50.61,82.75 50.61,81.88 50.28,81.55 50.28,80.28 49.89,79.89 U7.A5
  BOTTOM w0.127: v1(56.24,89.76) J1.77
NO_DATA_IN_P21: length 19
  SIGNAL_L5 w0.083: U7.B6 51.06,75.85 51.06,77.2 50.68,77.58 50.68,79.28 51.37,79.97 51.37,83.63 51.98,84.24 51.98,84.53 v1(57.24,89.8)
  BOTTOM w0.127: v1(57.24,89.8) J1.73
NO_DATA_IN_P22: length 21.9
  SIGNAL_L5 w0.083: v1(58.28,90.59) 58.65,90.22 58.65,89.25 54.37,84.97 54.37,83.89 54.43,83.82 54.43,83.15 54.28,83 54.28,80.08 52.68,78.48 52.68,76.08 52.48,75.88 52.17,75.88 51.88,75.59 51.88,75.07 U7.C7
  BOTTOM w0.127: J1.67 58.74,90.13 v1(58.28,90.59)
NO_DATA_IN_P23: length 24.3
  SIGNAL_L10 w0.083: U7.D8 52.68,74.27 54.87,74.27 55.08,74.48 55.08,75.68 55.31,75.91 55.64,75.91 55.88,76.15 55.88,76.88 57.06,78.06 57.06,78.66 59.98,81.58 59.98,89.89 v1(59.28,90.59)
  BOTTOM w0.127: J1.63 59.74,90.13 v1(59.28,90.59)
NO_DATA_IN_P24: length 17.2
  SIGNAL_L5 w0.083: v1(65.91,90.24) 66.17,89.97 66.17,88.87 65.38,88.08 65.38,84.07 65.38,84.07 65.38,83.76 65.38,83.75 65.38,83.68 65.62,83.44 65.62,82.02 65.28,81.68 65.28,81.08 65.08,80.88 65.08,78.36 65.11,78.33 65.11,78.03 65.08,78 65.08,77.68 65.49,77.27 U5.A3
  BOTTOM w0.127: J1.37 66.25,89.9 v1(65.91,90.24)
NO_DATA_IN_P25: length 18.3
  SIGNAL_L9 w0.083: v1(66.68,90.39) 67.12,89.95 67.12,83.06 66.91,82.85 66.91,82.71 66.31,82.11 66.31,76.98 65.88,76.55 65.88,75.89 U5.B4